# KiCad board amp board.kicad_pcb (continued)
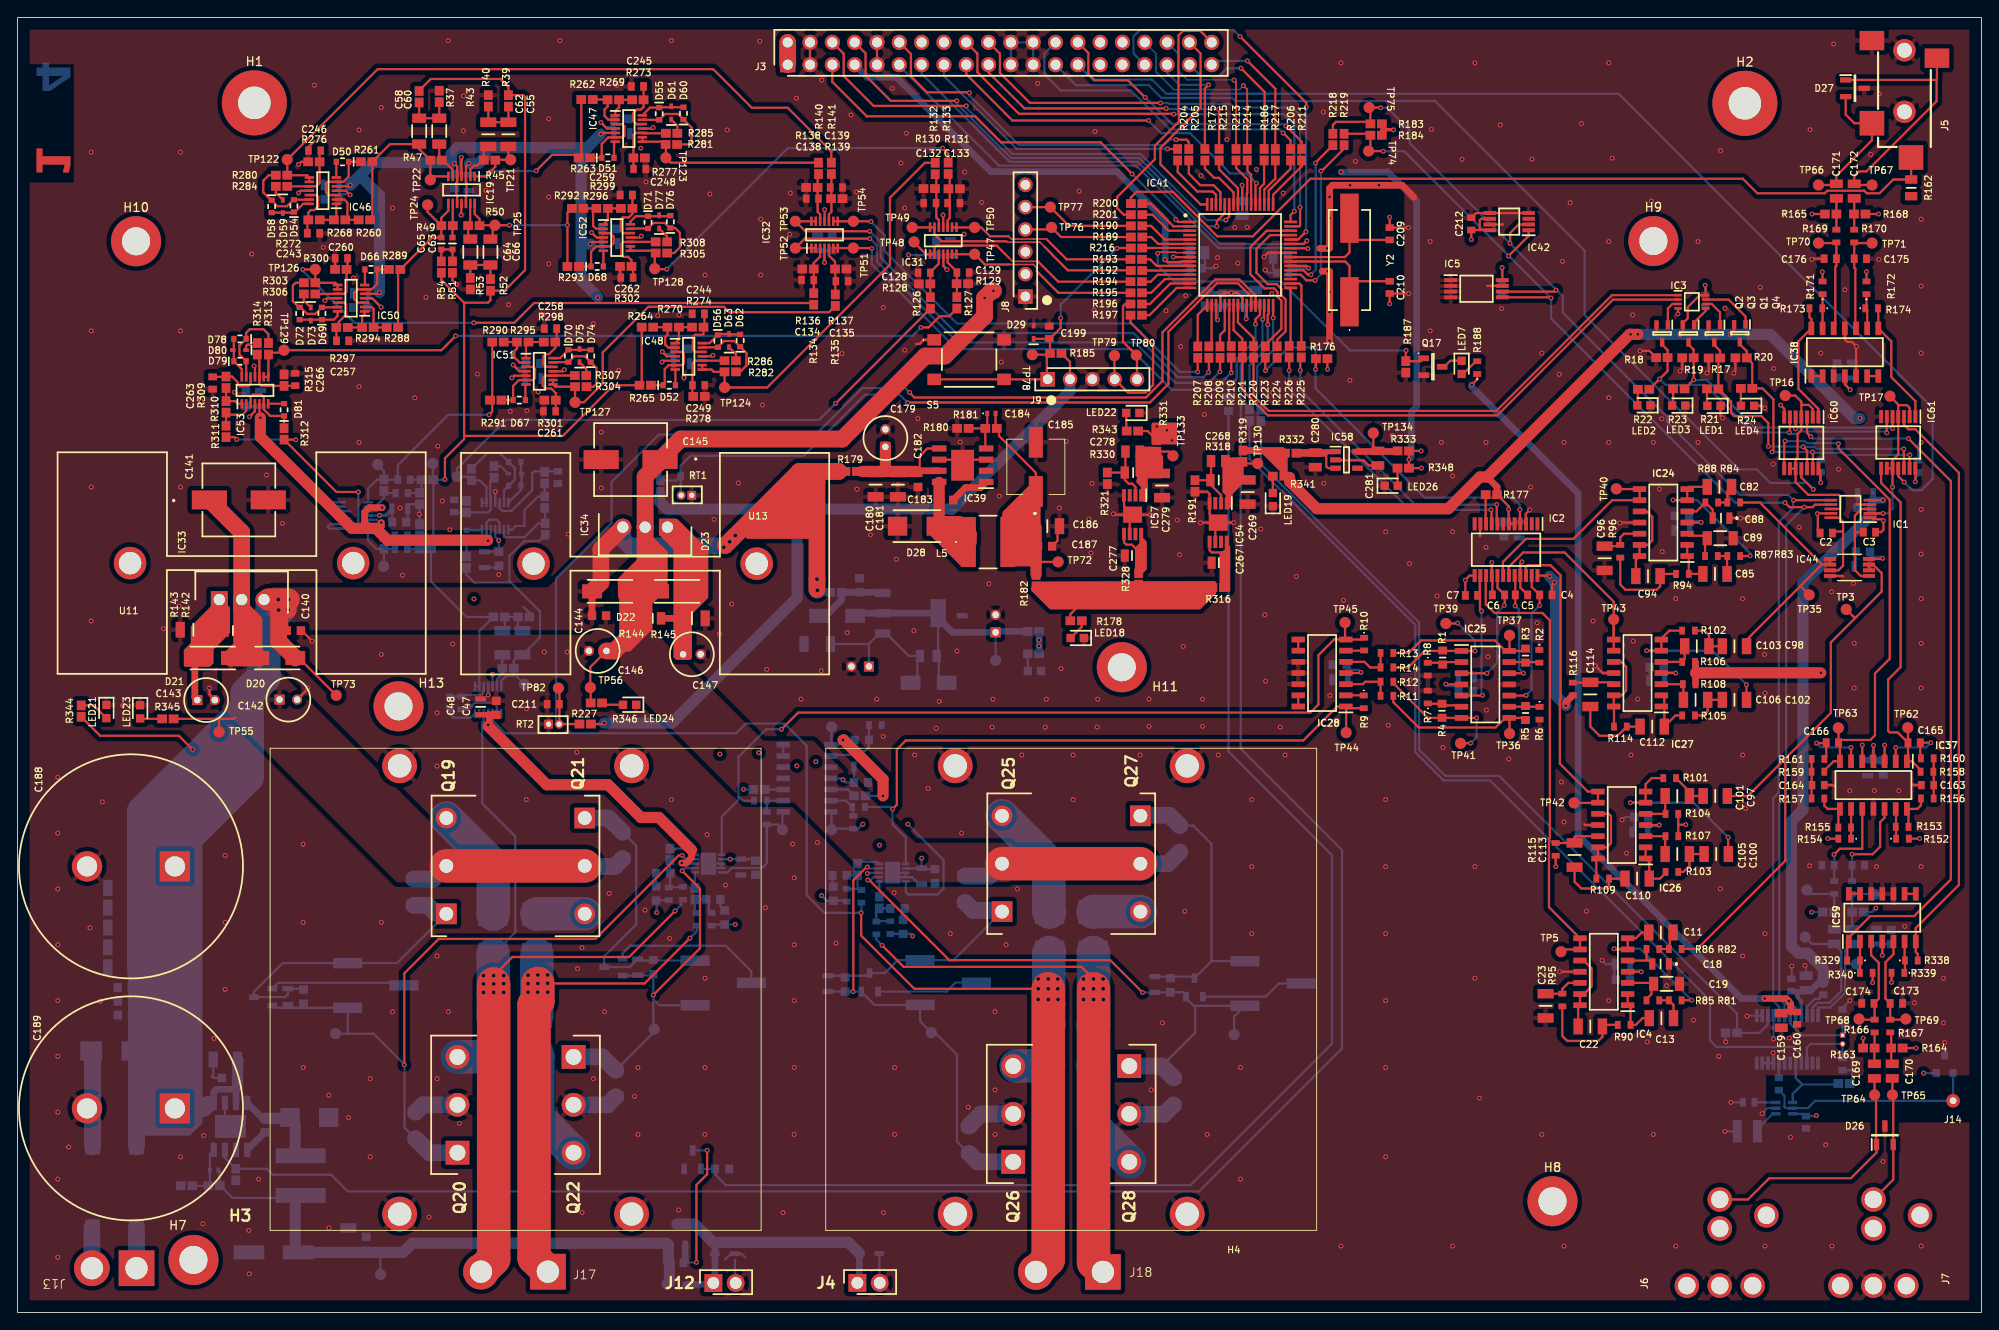
[diagram p0: board, top side]
## Routing (per net, layer and track width the routed paths; a pad name or vN(x,y) marks a point on that pad's centre or on a via; arc(x,y) is an arc through that point) (continued)
Net-(IC31-2IN+): length 5.3
  Top w0.254: R127.2 C129.2 106.91,118.4 105.86,119.45 IC31.5
Net-(IC31-3IN+): length 6.2
  Top w0.254: R133.2 106.1,129.35 106.1,124.51 105.86,124.27 IC31.10
Net-(IC31-4IN+): length 6.2
  Top w0.254: IC31.12 104.86,124.27 104.57,124.56 104.57,129.37 R132.2
Net-(IC32-1IN+): length 5.4
  Top w0.254: IC32.3 91.35,120.12 90.62,119.4 R136.1 R134.2
Net-(IC32-2IN+): length 5.6
  Top w0.254: R135.2 93.07,118.69 R137.1 93.04,119.56 92.35,120.25 IC32.5
Net-(IC32-3IN+): length 5.5
  Top w0.254: R141.2 92.63,129.5 92.63,125.23 92.35,124.94 IC32.10
Net-(IC32-4IN+): length 5.5
  Top w0.254: IC32.12 91.35,124.94 91.06,125.23 91.06,129.41 R140.2
Net-(IC35-RF1): length 3.1
  Bottom w0.254: 200.13,22.61 199.77,22.61 198.02,20.85 L3.1
Net-(IC35-RF2): length 2.5
  Bottom w0.254: IC35.3 199.05,23.89 199.04,23.9 L1.2
Net-(IC36-DBYP): length 3.4
  Bottom w0.254: C152.1 205.03,35.67 204.55,35.67 203.66,34.78 IC36.22
Net-(IC36-FMI): length 1.8
  Bottom w0.254: 200.42,28.31 IC36.8 200.46,28.35 C1.2
Net-(IC36-LOUT/[DFS]): length 12.3
  Bottom w0.254: 208.02,39.65 TP58.1 209.3,39.27 ; IC36.24 204.93,34.7 206.32,34.7 208,36.37 208,41.22 208.7,41.93 C153.2
Net-(IC36-ROUT/[DOUT]): length 14.3
  Bottom w0.254: IC36.23 204.29,34.67 204.85,35.23 206.25,35.23 207.57,36.55 207.57,41.13 C154.2 204.23,41.93 TP59.1
Net-(IC37-+_IN_C): length 11.1
  Top w0.254: IC37.10 209.96,52.76 207.4,52.76 v1(206.74,52.1)
  Bottom w0.254: v1(206.74,52.1) 206.77,52.08 C161.2 R151.2
Net-(IC37-+IN_D): length 11.1
  Top w0.254: 208.78,52.15 v1(208.8,52.13) 211.13,52.13 211.99,52.99 211.99,55.78 212.5,56.29 IC37.12
  Bottom w0.254: R150.2 C162.2 v1(208.8,52.13)
Net-(IC37--IN_A): length 8.8
  Top w0.254: v1(217.75,64.82) C165.2 216.56,63.12 R160.2 ; IC37.2 v1(213.77,64.27)
  Bottom w0.254: v1(217.75,64.82) 217.2,64.27 v1(213.77,64.27)
Net-(IC37--IN_B): length 9.2
  Top w0.254: v1(204.75,64.77) 205.8,64.77 C166.2 205.85,63.18 R161.2 ; 208.66,64.29 v1(208.67,64.28) 208.69,64.27 IC37.6 208.69,63.14
  Bottom w0.254: v1(208.67,64.28) 205.24,64.28 v1(204.75,64.77)
Net-(IC37--IN_C): length 3.4
  Top w0.254: IC37.9 R155.1 R154.1
Net-(IC37--IN_D): length 3.4
  Top w0.254: IC37.13 213.8,57.25 R152.1
Net-(IC37-OUT_C): length 5
  Top w0.254: R157.1 205.64,57.66 206.04,57.26 206.07,57.28 IC37.8 207.24,57.1 R155.2
Net-(IC37-OUT_D): length 4.7
  Top w0.254: R153.2 215.22,57.1 IC37.14 216.23,57.28 216.63,57.69 R156.1
Net-(IC38--IN_A): length 1.3
  Top w0.254: IC38.1 IC38.2
Net-(IC38--IN_B): length 1.3
  Top w0.254: IC38.6 IC38.7
Net-(IC38--IN_C): length 3.8
  Top w0.254: R172.1 210.44,114.38 ; IC38.9 210.52,114.03 R174.1
Net-(IC38--IN_D): length 3.9
  Top w0.254: IC38.13 205.44,114.21 R173.1 205.44,114.28 R171.1
Net-(IC39-BOOT): length 4.9
  Top w0.254: C183.2 106.67,92.61
  Top w0.762: C183.2 106.48,92.44 107.89,93.85 109.6,93.85 IC39.1
Net-(IC39-FB): length 6.1
  Top w0.254: R181.1 110.36,100.8 C184.1 110.31,102.33 ; R181.1 110.15,98.38 IC39.4 ; R181.1 R180.2
Net-(IC41-AN16/RA0): length 5.9
  Top w0.254: 136.75,131.02 136.75,130.05 138.9,127.9 IC41.57
Net-(IC41-COM1/RE2): length 7.8
  Top w0.254: IC41.62 136.4,127.17 136.03,127.53 134.27,127.53 132.04,129.76 R204.1
Net-(IC41-COM2/RE1): length 7.4
  Top w0.254: IC41.61 136.9,127.46 136.12,128.24 134.62,128.24 133.31,129.56 R205.1
Net-(IC41-COM6/SEG30/AN9/RP9/RB9): length 4.7
  Top w0.254: IC41.22 137.9,110.17 R210.2
Net-(IC41-COM7/SEG31/AN8/RP8/RB8): length 4.9
  Top w0.254: R209.2 136.86,111.21 137.4,111.75 IC41.21
Net-(IC41-LCDBIAS0/RE7): length 6.2
  Top w0.254: IC41.3 131.01,123.07 129.18,124.89 R201.2
Net-(IC41-LCDBIAS1/RE6): length 6.5
  Top w0.254: R200.2 128.96,126.16 131.55,123.57 IC41.2
Net-(IC41-OSCI/CLKI/RC12): length 17.3
  Top w0.254: IC41.39 151.09,119.57 151.6,119.07 Y2.1 151.6,116.29 152.63,117.33 C210.1
Net-(IC41-OSCO/CLKO/RC15): length 17.3
  Top w0.254: IC41.40 151.06,120.07 151.6,120.61 Y2.2 151.6,122.98 152.55,122.02 C209.1
Net-(IC41-PGC1/SEG6/CVREF-/AN1/AN1-/RP1/RB1): length 6.4
  Top w0.254: R196.2 128.88,114.73 131.22,117.07 IC41.15
Net-(IC41-PGC2/LCDBIAS3/AN6/RP6/RB6): length 5.1
  Top w0.254: R207.2 134.32,113.51 IC41.17
Net-(IC41-PGC3/SEG2/AN5/C1INA/RP18/ASCL1/OCM1A/RB5): length 5.7
  Top w0.254: R193.2 128.91,119.81 129.65,119.07 IC41.11
Net-(IC41-PGD1/SEG7/VREF+/CVREF+/AN0/RP0/RB0): length 6.7
  Top w0.254: R197.2 128.83,113.46 131.94,116.57 IC41.16
Net-(IC41-PGD2/AN7/RP7/T1CK/RB7): length 4.8
  Top w0.254: R208.2 135.9,110.21 IC41.18
Net-(IC41-PGD3/SEG3/AN4/C1INB/RP28/ASDA1/OCM1B/RB4): length 5.4
  Top w0.254: IC41.12 133.38,118.54 R192.2
Net-(IC41-SEG4/AN3/C2INA/RB3): length 5.8
  Top w0.254: IC41.13 129.78,118.07 128.98,117.27 R194.2
Net-(IC41-SEG5/AN2/C2INB/RP13/RB2): length 6.1
  Top w0.254: IC41.14 130.59,117.57 129.02,116 R195.2
Net-(IC41-SEG8/AN14/RP14/OCM1C/RB14): length 11.9
  Top w0.254: v1(140.89,112.45) 140.89,113 141.4,113.5 IC41.29
  Bottom w0.254: v1(140.89,112.45) 140.89,110.64 138.76,108.51 138.76,106.25 137.82,105.31 R57.1
Net-(IC41-SEG10/RP10/SDA2/RF4): length 12.8
  Top w0.254: IC41.31 142.4,113.58 142.29,113.48 v1(142.29,112.4)
  Bottom w0.254: v1(142.29,112.4) 142.29,109.8 140.21,107.72 R124.2
Net-(IC41-SEG11/RP17/SCL2/RF5): length 12.8
  Top w0.254: v1(142.9,113.16) IC41.32
  Bottom w0.254: R123.2 141.07,103.15 141.07,107.62 142.9,109.45 v1(142.9,113.16)
Net-(IC41-SEG12/RP16/RF3): length 6.7
  Top w0.254: IC41.33 144.89,110.12 R226.1
Net-(IC41-SEG16/C3INC/RP12/RD11): length 18
  Top w0.254: IC41.45 142.56,122.57 141.01,121.02 141.01,118.28 142.29,116.99 143.31,116.99 143.85,116.45 143.85,115.72 144.32,115.24 144.32,111.63 143.36,110.67 R224.1
Net-(IC41-SEG17/RP11/RD0): length 19.5
  Top w0.254: IC41.46 142.17,123.07 140.31,121.21 140.31,118.11 141.91,116.51 142.99,116.51 143.41,116.09 143.41,115.54 143.84,115.11 143.84,111.91 142.01,110.08 R223.1
Net-(IC41-SEG20/RP24/RD1): length 6.4
  Top w0.254: IC41.49 142.9,127.15 146.15,130.4 R211.1
Net-(IC41-SEG21/RP23/RD2): length 6
  Top w0.254: IC41.50 142.4,127.63 144.88,130.12 R206.1
Net-(IC41-SEG22/RP22/RD3): length 5.5
  Top w0.254: IC41.51 141.9,127.74 143.15,129 R217.1
Net-(IC41-SEG23/RP25/RD4): length 5.2
  Top w0.254: IC41.52 141.4,127.94 141.88,128.41 R186.1
Net-(IC41-SEG25/C3INB/RD6): length 5.2
  Top w0.254: R214.1 139.98,131.05 139.98,129.87 140.4,129.45 IC41.54
Net-(IC41-SEG26/C3INA/RD7): length 5.6
  Top w0.254: IC41.55 139.9,127.28 139.96,127.34 139.96,128.93 138.68,130.21 R213.1
Net-(IC41-SEG27/RF0): length 6.7
  Top w0.254: 138.38,126.08 IC41.58 138.4,127.44 136.75,129.08 136.19,129.08 135.14,130.14 R175.1
Net-(IC41-SEG28/SCL1/RG2): length 18.3
  Top w0.254: v1(147.73,130.76) 147.73,130.82 R218.1 ; IC41.37 146.36,118.57 146.87,118.06 v1(147.19,118.06)
  Bottom w0.254: v1(147.73,130.76) 147.75,130.73 147.75,118.62 v1(147.19,118.06)
Net-(IC41-SEG40/RP30/RF2): length 8.2
  Top w0.254: R225.1 146.13,109.98 146.13,116.83 145.88,117.07 IC41.34
Net-(IC41-SEG47/RP31/SDA1/OCM1F/RG3): length 19.9
  Top w0.254: R219.1 150.98,132.41 148.44,129.87 v1(148.34,129.87) ; v1(147.68,117.42) 146.69,117.42 146.04,118.07 IC41.36
  Bottom w0.254: v1(148.34,129.87) 148.34,118.08 v1(147.68,117.42)
Net-(IC41-TDO/AN11/RB11): length 5.4
  Top w0.254: R220.2 140.67,110.86 138.9,112.64 IC41.24
Net-(IC41-TMS/COM5/SEG29/CVREF/AN10/RP15/RB10): length 5.1
  Top w0.254: R221.2 139.4,110.76 138.4,111.77 IC41.23
Net-(IC41-VLCAP1/C1INC/C2INC/C3INC/RP26/RG7): length 6
  Top w0.254: IC41.5 130.56,122.07 129.01,123.62 R190.2
Net-(IC41-VLCAP2/C2IND/RP19/RG8): length 5.7
  Top w0.254: IC41.6 129.81,121.57 129.03,122.35 R189.2
Net-(IC41-~{MCLR}): length 5.4
  Top w0.254: IC41.7 133.37,121.11 R216.1
Net-(IC45-+_IN_B): length 2.9
  Bottom w0.254: IC45.5 94.48,59.5 R228.2
Net-(IC45-+_IN_C): length 2.1
  Bottom w0.254: R233.1 IC45.10
Net-(IC45--IN_A): length 7.3
  Bottom w0.254: IC45.2 92.67,63.42 94.69,63.42 95.12,63.86 96.44,63.86 96.89,64.3 R55.1 96.9,65.14 R31.2
Net-(IC45--IN_B): length 3.8
  Bottom w0.254: R231.2 95.1,57.4 R229.2 94.27,58.23 IC45.6
Net-(IC45--IN_C): length 3.1
  Bottom w0.254: R236.2 R237.2 IC45.9
Net-(IC45--IN_D): length 1.3
  Bottom w0.254: IC45.13 IC45.14
Net-(IC46-1IN-): length 5
  Top w0.254: IC46.2 37.18,126.63 37.54,126.26 37.54,124.55 R268.1 R260.2
Net-(IC46-1OUT): length 3.5
  Top w0.254: R272.1 R268.2 36.28,124.59 IC46.1
Net-(IC46-3IN+): length 7.6
  Top w0.254: C246.1 34.37,132.05 R276.2 34.37,128.5 34,128.13 IC46.10 33.2,128.12 R284.2
Net-(IC46-4IN+): length 6
  Top w0.254: IC46.12 34,127.13 34.21,126.92 34.21,125.84 33.8,125.43 33.38,125.43 33.09,125.14 R272.2 32.98,124.2 C243.2
Net-(IC47-1IN-): length 5.1
  Top w0.254: R262.2 67.12,138 R269.1 67.16,137.21 66.8,136.86 66.8,136.13 67.24,135.7 IC47.2
Net-(IC47-1OUT): length 3.4
  Top w0.254: R273.1 R269.2 68.46,137.11 68.03,136.69 IC47.1
Net-(IC47-3IN+): length 7.7
  Top w0.254: C248.1 70.1,131.35 R277.2 70.09,133.98 70.31,134.2 IC47.10 71.15,134.16 R285.2
Net-(IC47-4IN+): length 5.9
  Top w0.254: IC47.12 70.44,135.2 70.08,135.56 70.08,136.46 70.47,136.86 70.94,136.86 71.25,137.16 R273.2 C245.2
Net-(IC48-1IN-): length 5
  Top w0.254: IC48.2 74.05,109.78 73.71,110.12 73.71,110.98 73.97,111.24 R270.1 R264.2
Net-(IC48-1OUT): length 3.5
  Top w0.254: R274.1 R270.2 75.27,110.7 IC48.1
Net-(IC48-3IN+): length 7.6
  Top w0.254: R286.2 77.93,108.29 IC48.10 77.13,108.28 76.81,107.96 C249.1 76.81,104.32 R278.2
Net-(IC48-4IN+): length 6.3
  Top w0.254: IC48.12 77.13,109.28 76.86,109.55 76.86,110.98 77.11,111.23 77.96,111.23 78.07,111.34 R274.2 78.18,112.21 C244.2
Net-(IC49-1IN-): length 7.9
  Bottom w0.254: IC49.2 55.36,88.27 55.45,88.19 57.48,88.19 57.48,88.19 57.69,88.19 59.27,89.77 R266.2 60.05,91.48 R271.1
Net-(IC49-1OUT): length 8.2
  Bottom w0.254: R275.1 R271.2 59.24,92.83 57.69,91.28 57.69,89.49 56.72,89.49 56.29,89.07 IC49.1
Net-(IC49-3IN+): length 8.2
  Bottom w0.254: C250.1 49.73,91.02 R279.2 53.53,91.02 53.86,91.35 IC49.10 ; IC49.10 53.86,92.8 53.8,92.86 53.8,94.55 R287.2 ; IC49.10 53.88,92.16
Net-(IC49-4IN+): length 10.4
  Bottom w0.254: IC49.12 54.86,91.51 55.17,91.2 56.22,91.2 58.57,93.56 58.57,95.48 58.79,95.69 C247.2
Net-(IC50-1IN-): length 4.7
  Top w0.254: IC50.2 40.3,114.39 40.52,114.17 R294.1 R288.2
Net-(IC50-1OUT): length 3.6
  Top w0.254: IC50.1 39.5,113.59 39.22,113.31 R294.2 R297.1
Net-(IC50-3IN+): length 7.5
  Top w0.254: R306.2 36.41,115.88 IC50.10 37.22,115.89 37.44,116.11 R300.2 37.55,118.78 C260.1
Net-(IC50-4IN+): length 5.7
  Top w0.254: IC50.12 37.22,114.89 37.4,114.71 37.4,113.55 36.55,112.7 36.55,112.34 R297.2 36.29,112.05 C257.2
Net-(IC51-1IN-): length 5
  Top w0.254: R290.2 R295.1 56.85,109.68 56.53,109.36 56.53,108.68 57.13,108.08 IC51.2
Net-(IC51-1OUT): length 3.7
  Top w0.254: IC51.1 57.86,110.12 R295.2 R298.1
Net-(IC51-3IN+): length 8.5
  Top w0.254: R307.2 60.96,106.59 IC51.10 60.05,106.58 59.78,106.32 59.78,105.44 60.1,105.12 60.72,105.12 61.26,104.59 R301.2 61.25,103.79 C261.1
Net-(IC51-4IN+): length 6.1
  Top w0.254: IC51.12 60.14,107.58 59.83,107.89 59.83,108.77 60.1,109.03 60.49,109.03 61.2,109.74 R298.2 61.36,110.57 C258.2
Net-(IC52-1IN-): length 4.9
  Top w0.254: R292.2 R296.1 65.51,125.23 65.51,123.62 65.84,123.29 IC52.2
Net-(IC52-1OUT): length 3.5
  Top w0.254: IC52.1 67.18,124.3 R296.2 R299.1
Net-(IC52-3IN+): length 8.7
  Top w0.254: C262.1 70.06,118.83 R302.2 69.87,119.71 69.49,120.09 68.96,120.09 68.71,120.35 68.71,121.56 68.93,121.79 IC52.10 69.76,121.8 R308.2
Net-(IC52-4IN+): length 6.2
  Top w0.254: C259.2 R299.2 69.98,124.99 69.57,124.59 68.88,124.59 68.66,124.36 68.66,123.09 68.95,122.79 IC52.12
Net-(IC53-1IN-): length 4.9
  Top w0.254: R311.2 R310.1 23.97,102.14 25.59,102.14 26.02,102.57 IC53.2
Net-(IC53-1OUT): length 3.4
  Top w0.254: R309.1 R310.2 24.77,103.68 25.08,103.37 IC53.1
Net-(IC53-3IN+): length 7.6
  Top w0.254: C266.1 31.57,105.41 R315.2 27.76,105.41 27.52,105.65 IC53.10 27.52,108.75 R314.2
Net-(IC53-4IN+): length 5.8
  Top w0.254: C263.2 23.7,106.44 R309.2 24.41,106.47 25.07,105.82 25.07,105.6 25.31,105.36 26.24,105.36 26.52,105.65 IC53.12
Net-(IC54-EN): length 8.3
  Top w0.254: 137.63,86.47 137.62,86.46 135.93,86.46 135.68,86.71 IC54.5 ; 137.63,86.47 137.63,87.67 ; 137.63,86.47 137.48,86.32 137.48,82.65 R316.2
Net-(IC54-FB): length 7
  Top w0.254: R318.2 135.75,94.68 R191.2 ; C268.2 135.84,94.13 136.98,92.99 IC54.2
Net-(IC54-OUT): length 9.7
  Top w0.254: R319.1 139.42,96.72 139.42,95.29 C269.1 ; R319.1 139.64,96.59 TP130.1 ; R319.1 139.36,96.87 C268.1 137.63,96.7
  Top w0.762: 138.23,95.11 137.9,94.78 137.9,91.87
Net-(IC57-EN): length 8.2
  Top w0.254: IC57.5 125.93,87.61 126.19,87.35 126.82,87.35 127.85,86.32 127.85,86.09 ; IC57.8 127.88,86.33 C277.1 127.6,86.05 R328.2
Net-(IC57-FB): length 7.7
  Top w0.254: IC57.2 127.23,93.92 126.87,94.29 126.47,94.29 126.02,94.73 R330.2 ; R330.2 126.1,95.63 C278.2 ; R330.2 R321.2
Net-(IC57-OUT): length 15.8
  Top w0.254: 127.91,93 IC57.1 ; 127.88,95.52 R330.1 ; R330.1 128.01,95.46 C279.1 130.26,97.34 R331.1 ; R330.1 127.72,95.76 C278.1 131.02,97.94 TP133.1
  Top w0.762: 127.71,94.59 128.24,94.06 128.24,93.7 ; 128.24,93.7 128.24,95.23 R330.1 ; 128.24,93.7 128.24,92.61
Net-(IC58-EN): length 7.2
  Top w0.254: IC58.3 149.15,96.05 148.95,96.26 148.95,97.76 ; R332.2 148.95,97.76 ; 148.95,97.76 149.82,97.76 IC58.1
Net-(IC58-OUT): length 6.8
  Top w0.254: 157,97.95 R333.1 ; TP134.1 154.31,98.53 C281.2
  Top w0.762: IC58.5 157,97.95
Net-(IC59--IN_A): length 3.5
  Top w0.254: 209.7,38.65 R329.1 IC59.2
Net-(IC59--IN_B): length 3.6
  Top w0.254: R340.1 214.81,38.72 R338.1 214.78,40.08 IC59.6
Net-(IC59--IN_C): length 1.3
  Top w0.254: IC59.9 IC59.8
Net-(IC59--IN_D): length 1.3
  Top w0.254: IC59.13 IC59.14
Net-(J5-RING): length 31.1
  Top w0.254: 218.41,140.23 218.46,140.27 J5.3 ; 218.41,140.23 D27.1 ; 218.41,140.23 218.41,137.79 210.44,129.82 209.6,129.82 209.04,129.26 C172.2 209.18,128.27 TP67.1
Net-(J5-TIP): length 16.5
  Top w0.254: TP66.1 206.87,128.27 C171.2 207.01,129.31 211.06,133.36 J5.2 ; J5.2 209.06,135.3 208.07,136.29 D27.2 ; J5.2 211.34,135.02
Net-(J6-SIG): length 28.5
  Top w0.254: J6.3 196.95,12.85 199.36,15.27 208.66,15.27 211.58,18.19 D26.1 ; C169.2 211.36,26.6 TP64.1 211.53,24.58 211.53,19.16
Net-(J7-SIG): length 15.2
  Top w0.254: J7.3 213.49,15.11 213.49,19.1 D26.2 213.48,24.66 TP65.1 ; TP65.1 213.11,24.47 ; TP65.1 213.39,26.6 C170.2
Net-(LED1-A): length 2
  Top w0.254: LED1.2 192.28,103.2 R21.1
Net-(LED2-A): length 1.9
  Top w0.254: R22.1 184.41,103.26 LED2.2
Net-(LED3-A): length 2
  Top w0.254: LED3.2 188.43,103.29 R23.1
Net-(LED4-A): length 2
  Top w0.254: LED4.2 196.13,103.16 R24.1
Net-(LED7-A): length 2.4
  Top w0.254: R188.2 165.97,108.21 164.54,106.78 LED7.2
Net-(LED7-K): length 2.5
  Top w0.254: Q17.3 162.38,107.59 163.06,108.28 LED7.1
Net-(LED18-A): length 2.5
  Top w0.254: R178.1 121.12,77.99 LED18.2
Net-(LED19-A): length 1.9
  Top w0.254: LED19.2 142.87,93.24 R341.1
Net-(LED21-A): length 3.5
  Top w0.254: R344.1 8.66,69.07 LED21.2
Net-(LED22-A): length 2.1
  Top w0.254: R343.1 126.19,100.33 LED22.2
Net-(LED23-A): length 2.5
  Top w0.254: R345.1 13.98,67.54 13.97,67.53
Net-(LED24-A): length 2.5
  Top w0.254: LED24.2 66.73,69.14 R346.1
Net-(LED25-A): length 2
  Bottom w0.254: LED25.2 114.99,74.92 R347.1 ; 114.84,73.05 114.86,73.04
Net-(LED26-A): length 2
  Top w0.254: LED26.2 157.06,94.1 R348.1
Net-(Q5-G): length 18.5
  Top w0.254: v1(77.27,5.69) 77.27,14.5 78.49,15.72 v1(78.49,18.44)
  Bottom w0.254: R56.1 77.24,5.66 v1(77.27,5.69) ; v1(78.49,18.44) 78.48,18.43 Q6.3
  Bottom w0.762: R56.1 75.99,5.87 Q5.1
Net-(Q18-B): length 15.4
  Bottom w0.254: Q18.1 29.67,37.51 43.67,37.51 VR3.2
Net-(Q18-C): length 36.7
  Bottom w0.254: 47.66,45.35 Q19.1 43.19,39.74 VR3.3 30.18,39.74 26.89,36.45 Q18.3 30.44,35.87 30.77,36.2 C216.1 32.45,36.83 C215.1
  Bottom w1.905: R234.2 46.7,46.32 47.66,45.35
Net-(Q19-E): length 13.2
  Bottom w3.81: R238.1 54.14,45.34 54.14,50.91 Q19.3
Net-(Q20-E): length 4.1
  Bottom w0.254: 52.23,29.12 52.18,29.07
  Bottom w3.81: 52.18,29.07 Q20.3 ; 52.23,29.12 54.12,29.12 R239.2
Net-(Q21-B): length 33.3
  Bottom w0.254: R242.2 70.41,53.08 70.41,44.15 66.77,40.51 Q23.3 69.68,39.29 C218.1 70.73,40.03 VR4.3
  Bottom w1.905: Q21.1 67.24,56.25 R242.2
Net-(Q21-E): length 5.5
  Bottom w0.254: 64.55,45.35 Q21.3
  Bottom w3.81: R240.1 59.15,45.35 64.55,45.35
Net-(Q22-E): length 12.7
  Bottom w3.81: R241.2 59.22,29.11 59.22,22.23 Q22.3
Net-(Q23-B): length 18.2
  Bottom w0.254: VR4.2 83.51,38.81 80.61,41.72 69.71,41.72 68.87,40.88 Q23.1
Net-(Q24-B): length 11.6
  Bottom w0.254: Q24.1 105.72,36.5 106.74,37.53 VR5.2
Net-(Q24-C): length 27.5
  Bottom w0.254: 111.92,45.73 Q25.1 106.51,40.07 VR5.3 100.17,40.07 98.7,38.6 Q24.3 96.69,38.31 C226.1
  Bottom w1.905: 111.92,45.73 108.75,45.73 R248.2
Net-(Q25-E): length 13.2
  Bottom w3.81: Q25.3 117.38,51.17 117.38,45.62 R250.1
Net-(Q26-E): length 4
  Bottom w0.254: Q26.3 113.68,28.03
  Bottom w3.81: R251.2 113.69,28.04 113.68,28.03
Net-(Q27-B): length 33.9
  Bottom w0.254: 135.89,39.97 135.89,53.32 133.81,55.39 R254.2 ; 135.89,39.97 Q29.3 133.77,38.21 C230.1 ; 135.89,39.97 VR6.3
  Bottom w1.905: Q27.1 127.85,56.55 131.1,56.55 R254.2
Net-(Q27-E): length 5.4
  Bottom w3.81: R252.1 122.47,45.6 Q27.3
Net-(Q28-E): length 12.6
  Bottom w3.81: R253.2 122.46,27.99 122.46,21.2 Q28.3
Net-(Q29-B): length 11.8
  Bottom w0.254: VR6.2 143.55,37.43 142.05,35.93 Q29.1
Net-(U14--IN_A): length 3.2
  Bottom w0.254: R335.1 76.44,52.77 U14.10
Net-(U14--IN_B): length 1.8
  Bottom w0.254: 77.1,48.29 77.1,50.02 U14.6
Net-(U15--IN_A): length 2.7
  Bottom w0.254: 98.07,51.05 U15.10 97.86,51.26 95.83,51.26 R337.1
Net-(U15--IN_B): length 1.8
  Bottom w0.254: R336.2 98.08,49.01 U15.6
unconnected-(IC36-AMI-Pad12): length 0
  Bottom w0.254: 197.93,28.36 IC36.12

## Copper pours and planes (outline as drawn; the poured copper is in the pictures)
2V5 on In2.Cu: 157.38,100.86 165.23,100.86 202.18,132.9 202.18,132.92 219.56,132.92 222.02,130.45 222.02,29.13 220.95,28.07 204.42,28.07 203.76,28.73 203.76,93.5 210.21,93.55 210.14,106.22 206.63,106.25 203.76,104.04 174.5,80.57 164.22,80.57 157.38,93.65
3V3 on Top (solid shape): 129.16,98.86 131.88,98.86 131.88,101.09 131.83,101.14 129.24,101.14 129.16,101.07
3V3 on In2.Cu: 131.83,96.06 110.95,96.06 110.57,96.44 110.57,139.01 111.05,139.5 174.19,139.5 174.93,138.76 175.28,112.98 169.61,107.72 167,105.41 163.86,102.26 138.02,102.26
/Main Board/5V_Signal on Top (solid shape): 141.76,97.74 143.87,95.63 143.97,95.73 143.97,97.87 141.88,97.87
/Main Board/8V on Top (solid shape): 115.44,82.19 117.55,80.09 134.57,80.09 136.32,81.84 136.32,83.03 136.25,83.11 116.74,83.06 115.95,83.06 115.44,82.42
/Main Board/33V on Top (solid shape): 89.81,95.25 82.88,88.32 83.08,88.11 90.32,88.11 90.32,94.74
/Main Board/33V on Bottom (solid shape): 19.58,20.22 20.96,21.59 20.96,53.16 20.35,53.77 14.4,53.77 12.85,52.22 12.85,21.31 13.94,20.22
/Main Board/33V on Top: 27.94,82.5 60.35,82.5 68.28,90.42 68.28,90.81 69.55,90.81 69.93,90.42 69.93,86.18 66.73,82.98 66.73,79.35 65,77.62 30.15,77.62 27.84,79.93 27.84,82.4
/Main Board/VCC_Power_R on Top: 23.27,73.94 23.27,68.83 43.18,48.92 50.11,48.92 50.11,52.65 27.81,74.96 27.81,75.08 24.41,75.08
GND on Top: 1.37,145.95 222.15,145.95 222.15,1.37 1.37,1.37
GND on Bottom: 1.37,145.95 222.15,145.95 222.15,1.37 1.37,1.37
GND on In1.Cu: 1.37,145.95 222.15,145.95 222.15,1.37 1.37,1.37
GND on In2.Cu: 147.9,64.19 147.9,8.2 141.53,1.83 2.26,1.83 2.26,63.88 2.57,64.19
VCC Signal on In2.Cu: 1.37,145.95 80.47,145.95 109.32,117.09 109.32,79.48 176.08,79.48 208.41,105.47 209.06,105.47 209.09,94.21 207.84,94.21 202.82,94.18 202.82,15.8 152.27,15.8 150.62,17.45 150.62,65.76 149.91,66.47 1.78,66.47 1.37,66.88
VCC_Power_L on Top (solid shape): 68.58,81.46 68.58,75.29 69.67,75.29 72.16,77.78 72.16,80.67 72.85,81.36 73.86,81.36 73.89,81.38 73.89,86.51 72.19,88.21 71.07,88.21 70.71,87.86 70.71,86.03 70.84,85.9 70.84,85.85 68.43,83.44 68.43,81.61
VCC_Power_L on Top: 72.16,77.78 84.89,65.05 90.58,65.05 102.18,53.44 112.98,53.44 113.54,52.88 113.54,49.63 112.85,48.95 97.46,48.95 88.39,58.01 82.8,58.01 68.58,72.24 68.58,75.29 71.07,77.78
Net-(C143-+) on Top (solid shape): 22.2,80.39 19.81,78 19.81,76.12 19.02,75.34 19.02,73.58 19.05,73.56 21.84,73.56 22.2,73.91 22.2,75.46 24.08,77.34 24.08,80.16 23.85,80.39
Net-(C147-+) on Top (solid shape): 74.75,86.87 74.75,74.6 75.01,74.35 76.53,74.35 76.66,74.47 76.66,79.5 78.51,81.36 78.51,86.72 75.06,90.17 73.18,90.17 73.1,90.09 73.1,88.52
Net-(C185-+) on Top (solid shape): 111.98,84.99 116.33,84.99 116.33,94.46 116.2,94.59 112.03,90.42 112.03,85.04
Net-(D28-K) on Top (solid shape): 107.49,84.93 103.65,88.77 103.65,90.24 103.7,90.29 108.83,90.29 108.91,90.22 108.91,85.04 108.81,84.93
Net-(IC54-EN) on Top (solid shape): 136.91,82.91 136.91,86.28 137.52,86.79 137.52,87.15 137.9,87.15 137.92,87.12 137.92,82.12 137.69,82.12
Net-(IC54-OUT) on Top (solid shape): 139.04,97.18 137.82,97.18 137.24,96.6 137.24,93.37 137.57,93.04 138.07,93.04 139.22,94.18 139.22,97
Net-(IC57-EN) on Top (solid shape): 127.79,87.96 127.79,87.48 127.28,86.97 127.28,84.28 127.33,84.23 128.07,84.23 128.42,84.58 128.42,87.66 128.12,87.96
Net-(IC57-OUT) on Top (solid shape): 129.24,98.4 128.14,98.4 127.33,97.59 127.33,95.25 127.58,95 130.17,95 130.2,95.02 130.2,97.33 129.24,98.3
Net-(IC58-EN) on Top (solid shape): 149.45,98.12 149.45,98.1 148.82,97.46 145.62,97.46 145.41,97.66 145.41,98.12

## Text on the board
Bottom: 4
Top: 1
In1.Cu: 2
In2.Cu: 3
